# Altium PCB FUMSAT Station PCB.PcbDoc
Units mm, origin at the board's own origin, x right, y up, seen from the top; angles counter-clockwise.
Board outline 90.3 x 61.85 mm, 2 copper layers (Top Layer, Bottom Layer); 24 components, 30 nets, 192 pads, 16 vias.
Unrouted connection lines stored in the file: 47.
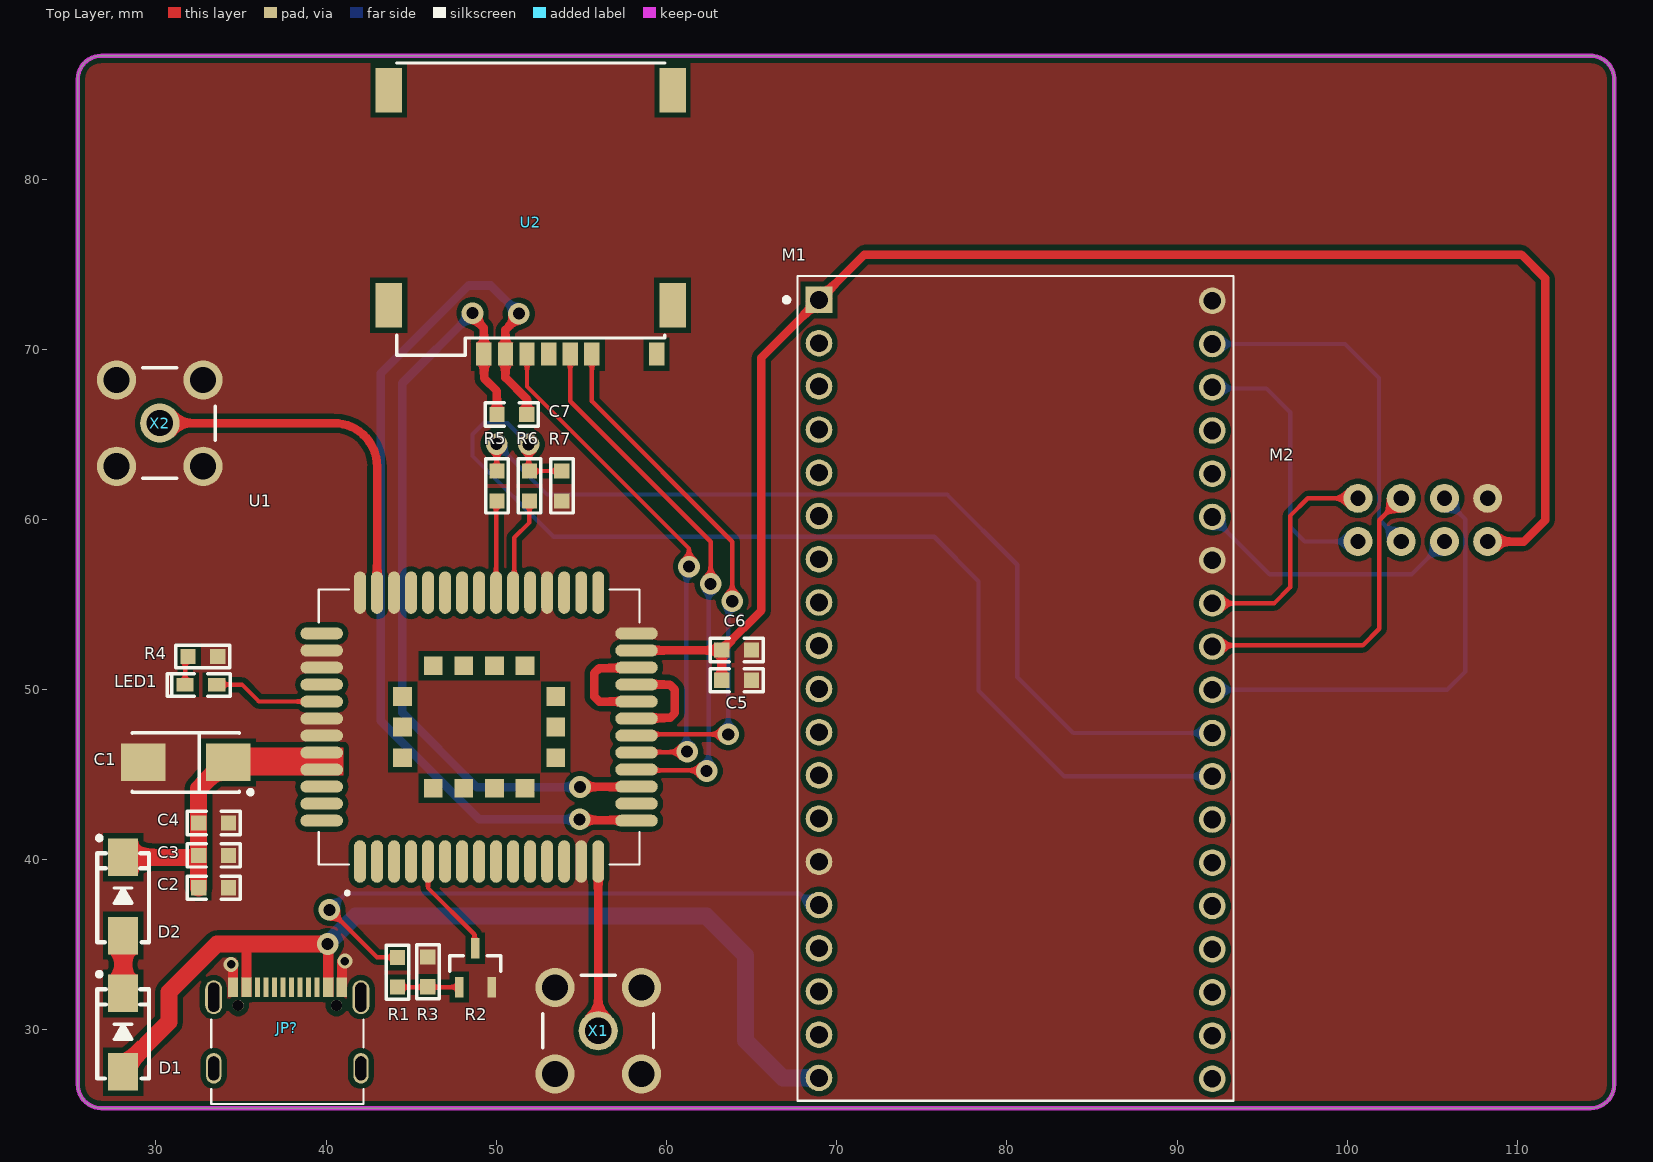
[diagram p0: Top Layer view]
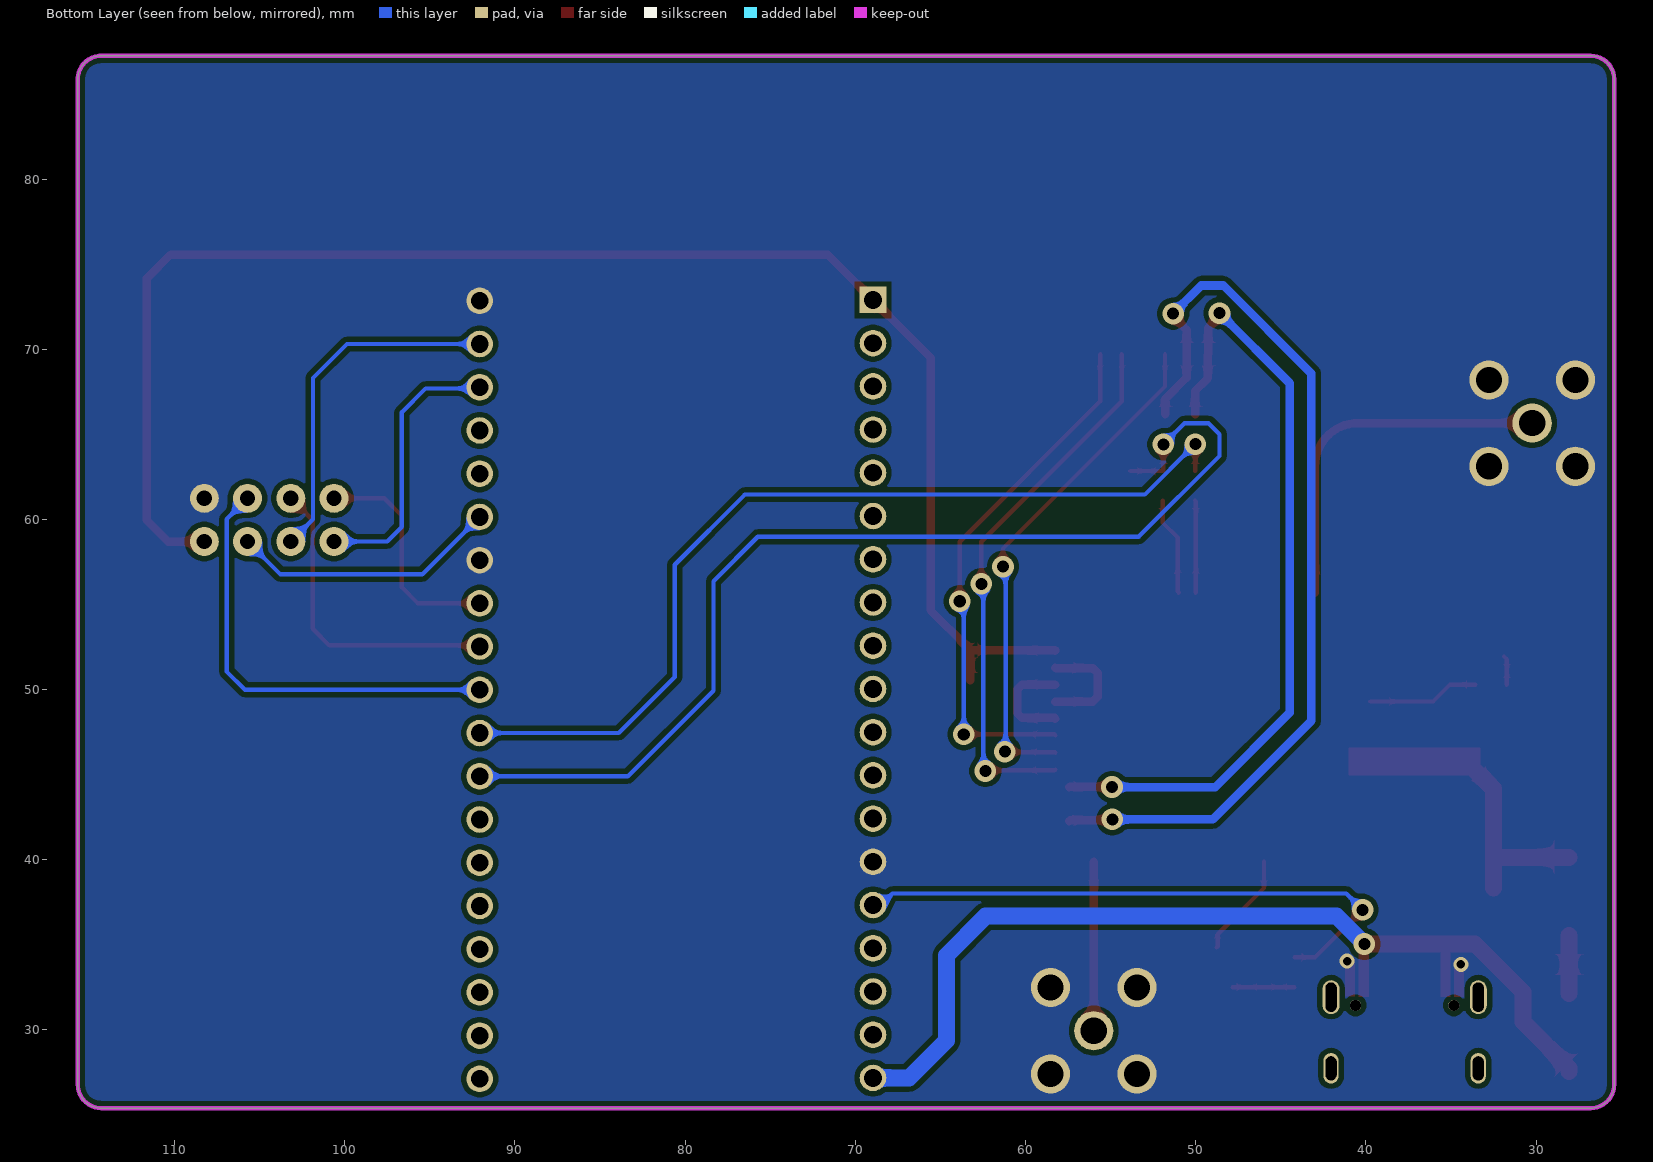
[diagram p1: Bottom Layer view, seen from below]

## Layer stack, top to bottom
Top Solder: solder mask 0.0102, Solder Resist, Dk 3.5
Top Layer: signal copper 0.0356
Dielectric 1: dielectric 0.32, FR-4, Dk 4.8
Bottom Layer: signal copper 0.0356
Bottom Solder: solder mask 0.0102, Solder Resist, Dk 3.5

## Board outline
26.797,25.4 cw(c26.797,26.797) 25.4,26.797 25.4,85.852 cw(c26.797,85.852) 26.797,87.249 114.3,87.249 cw(c114.3,85.852) 115.697,85.852 115.697,26.797 cw(c114.3,26.797) 114.3,25.4

## Design rules (kind name [scope] priority, off if disabled: settings)
Clearance Clearance_1 [InNamedPolygon('GND_L01_P000') Or InNamedPolygon('GND_L02_P001')] p1: gap=0.3 ignorepadtopadclearanceinfootprint=FALSE
Clearance [All] p2: gap=0.15 ignorepadtopadclearanceinfootprint=FALSE
PolygonConnect PolygonConnect_1 [All vs IsNamedPolygon('GND_L01_P000') Or IsNamedPolygon('GND_L02_P001')] p1: connectstyle=Direct reliefconductorwidth=0.254 reliefentries=4 polygonreliefangle="90 Angle" airgapwidth=0.254
PolygonConnect [All] p2: connectstyle=Relief reliefconductorwidth=0.254 reliefentries=4 polygonreliefangle="90 Angle" airgapwidth=0.254
RoutingVias [All] p1: holewidth=0.711 width=1.27 viastyle="Through Hole" minholewidth=0.711 minwidth=1.27 maxholewidth=0.711 maxwidth=1.27
SolderMaskExpansion [All] p1: expansion=0.102 istentingtop=FALSE
Width [All] p1: maxlimit=1 minlimit=0.254 preferedwidth=0.5
30 further rules are at their usual default settings.

## Components (designator, comment, footprint, x,y, rotation, side; value= is the part's Value field where it differs from the comment)
C1 "100uF" "CD C(6032)" 31.75,45.72 r180 top
C2 "100nF" "C 0603" 33.401,38.354 r0 top
C3 "10pF" "C 0603" 33.401,40.259 r0 top
C4 "33pF" "C 0603" 33.401,42.164 r0 top
C5 "10Uf" "C 0603" 64.135,50.546 r0 top
C6 "100nF" "C 0603" 64.135,52.324 r0 top
C7 "100nF" "C 0603" 50.927,66.167 r0 top
D1 "M7" SMA 28.067,29.845 r90 top (schematic designator D?)
D2 "M7" SMA 28.067,37.846 r90 top (schematic designator D?)
JP? "USB-C" USB-C-RIGHT 37.465,28.575 r0 top
LED1 "LED-SMD" "LED 0603Y" 32.639,50.292 r180 top
M1 "ESP32" NodeMCU(ESP32) 80.747,48.844 r0 top
M2 "E01-ML01DP5" E01-ML01DP5 114.554,47.244 r90 top
R1 "1K" "R 0603" 44.196,33.376 r270 top
R2 "SS8050" SOT23-3N 48.768,33.655 r0 top
R3 "10K" "R 0603" 45.974,33.401 r270 top
R4 "1K" "R 0603" 32.766,51.943 r0 top
R5 "1K" "R 0603" 50.038,61.976 r90 top
R6 "1K" "R 0603" 51.943,61.976 r90 top
R7 "5.6K" "R 0603" 53.848,61.976 r90 top
U1 "Quectel MC60" "Quectel MC60" 48.989,47.771 r90 top
U2 "SIMcard" SIMcard_6pin_1 52.07,77.978 r180 top
X1 "SMA" "SMA Female-RA" 55.989,29.954 r270 top
X2 "SMA" "SMA Female-RA" 30.226,65.659 r180 top

## Footprints (in the part's own frame and the unit in brackets; to place one, negate y for a bottom-side part, rotate by r counter-clockwise, add the part's x,y. Pads: shape width x height; smd on the part's side, far side on the other; paste and mask are expansions set on the pad)
"C 0603" [mil] "ï¿½Þ¼ï¿½ï¿½ï¿½ï¿½ï¿½Æ¬ï¿½ï¿½ï¿½ï¿½"
  rect 35x35 smd: 1(-35,0) 2(34,0)
  silkscreen extent -62,-27 61,27, body extent -31,-16 31,16, height 32
"CD C(6032)" [mm] "Capacitor, SM Tantalum; Body 6.0 x 3.2 mm (LxW typ)"
  rect 2.6x2.2 smd: 1(-2.5,0) 2(2.5,0)
  silkscreen extent -3.93,-1.75 3.15,1.87, body extent -3,-1.6 3,1.6, height 2.5
E01-ML01DP5 [mm]
  round 1.7 hole 0.9: 1(13.995,6.299) 2(13.995,8.839) 3(13.995,11.379) 4(13.995,13.919) 5(11.455,13.919) 6(11.455,11.379) 7(11.455,8.839) 8(11.455,6.299)
  body extent -27.58,1.02 15.47,19.07, height 12.65
"LED 0603Y" [mm] "ï¿½ï¿½É«0603LED"
  rect 1.016x0.8 smd: 1(-0.927,0) 2(0.927,0)
  silkscreen extent -1.71,-0.63 1.98,0.69, body extent -0.8,-0.41 0.8,0.4, height 0.61
NodeMCU(ESP32) [mm]
  rect 1.56x1.56 hole 1.04: 1(-11.786,24.054)
  round 1.56 hole 1.04: 2(-11.786,21.514) 3(-11.786,18.974) 4(-11.786,16.434) 5(-11.786,13.894) 6(-11.786,11.354) 7(-11.786,8.814) 8(-11.786,6.274) 9(-11.786,3.734) 10(-11.786,1.194) 11(-11.786,-1.346) 12(-11.786,-3.886) 13(-11.786,-6.426) 14(-11.786,-8.966) 15(-11.786,-11.506) 16(-11.786,-14.046) 17(-11.786,-16.586) 18(-11.786,-19.126) 19(-11.786,-21.666) 20(11.328,24.002) 21(11.328,21.462) 22(11.328,18.922) 23(11.328,16.382) 24(11.328,13.842) 25(11.328,11.302) 26(11.328,8.762) 27(11.328,6.222) 28(11.328,3.682) 29(11.328,1.142) 30(11.328,-1.398) 31(11.328,-3.938) 32(11.328,-6.478) 33(11.328,-9.018) 34(11.328,-11.558) 35(11.328,-14.098) 36(11.328,-16.638) 37(11.328,-19.178) 38(11.328,-21.718)
  silkscreen extent -13.83,-23.01 12.58,25.45, body extent -12.96,-23.74 12.44,25.31, height 7.07
"Quectel MC60" [mm]
  oval 2.5x0.7 smd paste-2: 1(-7.875,7) 2(-7.875,6) 3(-7.875,5) 4(-7.875,4) 5(-7.875,3) 6(-7.875,2) 7(-7.875,1) 8(-7.875,0) 9(-7.875,-1) 10(-7.875,-2) 11(-7.875,-3) 12(-7.875,-4) 13(-7.875,-5) 14(-7.875,-6) 15(-7.875,-7) 28(7.925,-7) 29(7.925,-6) 30(7.925,-5) 31(7.925,-4) 32(7.925,-3) 33(7.925,-2) 34(7.925,-1) 35(7.925,0) 36(7.925,1) 37(7.925,2) 38(7.925,3) 39(7.925,4) 40(7.925,5) 41(7.925,6) 42(7.925,7)
  oval 0.7x2.5 smd paste-2: 16(-5.475,-9.25) 17(-4.475,-9.25) 18(-3.475,-9.25) 19(-2.475,-9.25) 20(-1.475,-9.25) 21(-0.475,-9.25) 22(0.525,-9.25) 23(1.525,-9.25) 24(2.525,-9.25) 25(3.525,-9.25) 26(4.525,-9.25) 27(5.525,-9.25) 43(5.525,9.25) 44(4.525,9.25) 45(3.525,9.25) 46(2.525,9.25) 47(1.525,9.25) 48(0.525,9.25) 49(-0.475,9.25) 50(-1.475,9.25) 51(-2.475,9.25) 52(-3.475,9.25) 53(-4.475,9.25) 54(-5.475,9.25)
  rect 1.1x1.1 smd paste-0.09: 55(-3.575,2.7) 56(-3.575,0.9) 57(-3.575,-0.9) 58(-3.575,-2.7) 59(-1.775,-4.5) 60(0.025,-4.5) 61(1.825,-4.5) 62(3.625,-2.7) 63(3.625,-0.9) 64(3.625,0.9) 65(3.625,2.7) 66(1.825,4.5) 67(0.025,4.5) 68(-1.775,4.5)
  silkscreen extent -9.82,-9.43 8.1,9.43, body extent -7.98,-9.43 8.02,9.27, height 2.2
"R 0603" [mil] "1/10Wï¿½ï¿½Æ¬ï¿½ï¿½ï¿½ï¿½"
  rect 35x35 smd: 1(-35,0) 2(34,0)
  silkscreen extent -63,-26 62,26, body extent -31,-16 32,16, height 16
SIMcard_6pin_1 [mm]
  rect 1.56x2.61 smd: 1(-8.289,5.391) 2(-8.289,-7.239) 3(8.391,-7.239) 4(8.391,5.391)
  rect 0.9x1.35 smd: C1(2.806,8.266) C2(0.266,8.266) C3(-2.274,8.266) C5(1.536,8.266) C6(-1.004,8.266) C7(-3.544,8.266) CD(-7.354,8.266)
  silkscreen extent -7.82,-8.84 7.93,8.33, body extent -8.32,-8.87 8.43,8.46, height 1.5
SMA [mm] "4.5x2.6*2.2mm£¨³¤¿í¸ß£¬²»°üÀ¨Òý½Å£©"
  rect 2.2x1.75 smd: 1(-2.3,0) 2(2.3,0)
  silkscreen extent -2.7,-1.52 3.56,1.52, body extent -2.53,-1.3 2.58,1.3, height 2.15
"SMA Female-RA" [mm] "MOLEX SD-73100-0114"
  round 2.304 hole 1.54: G(-2.54,2.54) G(2.54,2.54) S(0,0)
  round 2.302 hole 1.54: G(-2.54,-2.54) G(2.54,-2.54)
  silkscreen extent -3.25,-3.25 1,3.25, body extent -3.12,-3.17 11.68,3.17, height 9.67
SOT23-3N [mm] "3x1.3x1mm(ï¿½ï¿½ï¿½ï¿½ï¿½)"
  rect 0.5x1.2 smd: 1(-0.95,-1.143) 2(0.95,-1.143) 3(0,1.143)
  silkscreen extent -1.5,-0.2 1.5,0.7, body extent -1.5,-1.2 1.5,1.2, height 1.05
USB-C-RIGHT [mm]
  rect 0.3x1.14 smd: A1(-3.096,3.937) A4(-2.296,3.937) A5(-0.996,3.937) A6(0.004,3.937) A7(0.504,3.937) A8(1.504,3.937) A9(2.804,3.937) A12(3.604,3.937) B1(3.304,3.937) B4(2.504,3.937) B5(2.004,3.937) B6(1.004,3.937) B7(-0.496,3.937) B8(-1.496,3.937) B9(-1.996,3.937) B12(-2.796,3.937)
  oval 1x2 hole 0.65 slot 1.72 at 90 deg: S1(-4.071,3.347) S2(4.579,3.347)
  oval 0.9x1.8 hole 0.65 slot 1.4 at 90 deg: S3(-4.071,-0.833) S4(4.579,-0.833)
  round 0.65 hole 0.65 unplated: ""(-2.636,2.867) ""(3.144,2.867)
  silkscreen extent -4.22,-2.92 4.72,2.03, body extent -4.22,-3.36 4.72,4.39, height 3.26

## Part data
C1: library part C-CD, "Solid Tantalum Chip Capacitor, Standard T491 Series - Industrial Grade", PackageDocument=Mar-2001, Code_JEITA=3528-21, ComponentLink1Description="Manufacturer Link", ComponentLink1URL=http://www.kemet.com/, ComponentLink2Description=Datasheet, ComponentLink2URL=http://www.kemet.com/kemet/web/homepage/kechome.nsf/vapubfilesname/F3102TA.pdf/$file/F3102TA.pdf, DatasheetDocument=Mar-2001, LatestRevisionDate=19-Mar-2004, LatestRevisionNote="Silkscreen dimensions re-sized.", PackageReference=B, Published=17-Jul-2002, Publisher="Altium Limited"
C2 C3 C4 C5 C6 C7: library part C, "Non-polar patch capacitor", BOM名称=无极性贴片电容, 学习资源=www.ooocke.com, 版权归属=源创客
D1 D2: "Rectifier diode", BOM名称=整流二极管, 学习资源=www.ooocke.com, 版权归属=源创客
JP?: library part USB-C-RIGHT
LED1: "Patch LED", BOM名称=贴片LED, 学习资源=www.ooocke.com, 版权归属=源创客
M1: library part NodeMCU(ESP32-WROOM)
R1 R3 R4 R5 R6 R7: library part R, "Chip resistor", BOM名称="Chip resistor", 学习资源=www.ooocke.com, 版权归属=源创客
R2: library part 8050-SMD, "High frequency amplification-NPN", BOM名称=高频放大-NPN型, 学习资源=www.ooocke.com, 属性="40V 1.5A 1W 100MHZ", 版权归属=源创客
U1: library part MC60, "Ultra-small LCC Quad-band GSM/GPRS/GNSS Module"
U2: library part "SIMcard (6pin)"
X1 X2: "RF"

## Via types
v1: diameter 1.27, hole 0.711, Top Layer to Bottom Layer, tented both sides, 14 vias
v2: diameter 0.9, hole 0.5, Top Layer to Bottom Layer, tented both sides, 2 vias

## Nets (pads, with @x,y where several pads share a name; then routed paths per layer and width w, separated by ;. In a path a pad name is that pad's centre, name@x,y a point inside that pad or via, vN(x,y) a via of type N, cw(c..) or ccw(c..) an arc to the next point about the centre after c; other vN are vias at no path point)
3.3V: C5.1 C6.1 M1.1 M2.8 U1.26 | length 92
  Top Layer w0.5: U1.26 58.253,52.31 C6.1@63.232,52.31 ; C5.1 C6.1 ; C6.1@63.35,52.495 63.417,52.495 65.574,54.652 65.574,69.511 M1.1 71.628,75.565 110.236,75.565 111.633,74.168 111.633,59.944 110.388,58.699 M2.8
5V: D1.1 JP?.A4 JP?.A9 JP?.B4 JP?.B9 M1.19 | length 52.7
  Top Layer w1: D1.1 28.067,27.77 30.774,30.477 30.774,32.224 33.595,35.045 40.024,35.045 40.029,35.05 v1(40.085,35.05)
  Bottom Layer w1: v1(40.085,35.05) 41.721,36.686 62.337,36.686 64.647,34.376 64.647,29.374 66.843,27.178 M1.19
E01_CE: M1.29 M2.2 | length 26
  Bottom Layer w0.254: M1.29 105.866,49.986 106.946,51.066 106.946,60.008 M2.2
E01_CSN: M1.25 M2.7 | length 15.8
  Bottom Layer w0.254: M1.25 95.452,56.769 103.784,56.769 M2.7
E01_IRQ: M1.22 M2.5 | length 16.3
  Bottom Layer w0.254: M1.22 92.15,67.691 95.25,67.691 96.647,66.294 96.647,59.563 97.511,58.699 M2.5
E01_MISO: M1.27 M2.4 | length 13.6
  Top Layer w0.254: M1.27 95.706,55.066 96.647,56.007 96.647,60.198 97.688,61.239 M2.4
E01_MOSI: M1.21 M2.6 | length 20.8
  Bottom Layer w0.254: M1.21 99.874,70.306 101.866,68.314 101.866,60.008 M2.6
E01_SCK: M1.28 M2.3 | length 18.5
  Top Layer w0.254: M1.28@92.068,52.462 92.203,52.597 100.909,52.597 101.882,53.57 101.882,59.947 M2.3
GND: C1.2 C2.2 C3.2 C4.2 C5.2 C6.2 JP?.A1 JP?.A12 JP?.B1 JP?.B12 M1.14 M1.20 M1.26 M2.1 R2.2 R3.1 R4.2 R7.1 U1.14 U1.27 U1.31 U1.40 U1.42 U1.44 U1.45 U1.48 U1.49 X1.G X2.G
  other v2: 34.414,33.848 41.105,34.048
GNSS_ANT: U1.15 X1.S | length 10.1
  Top Layer w0.5: X1.S@55.88,29.845 ccw(c55.88,29.954) X1.S U1.15
IN0: U1.6
NetD?_1: D1.2 D2.1 | length 3.4
  Top Layer w1: D1.2 D2.1
NetLED1_2: LED1.2 R4.1 | length 1.7
  Top Layer w0.254: LED1.2 31.712,51.778 R4.1
NETLIGHT: LED1.1 U1.47 | length 6.6
  Top Layer w0.254: LED1.1 35.052,50.292 36.048,49.296 U1.47
NetR1_2: R1.2 R2.1 R3.2 | length 3.6
  Top Layer w0.254: R1.2 R2.1
NetR5_1: R5.1 U1.34 | length 5.4
  Top Layer w0.254: U1.34 49.989,61.038 R5.1
NetR6_1: R6.1 U1.33 | length 5.8
  Top Layer w0.254: U1.33 51.054,55.761 51.054,58.928 51.943,59.817 R6.1
PWRKEY: R2.3 U1.5 | length 6.2
  Top Layer w0.254: U1.5 45.989,38.339 48.709,35.619 48.709,34.92 R2.3@48.768,34.861
RF_ANT: U1.41 X2.S | length 21.6
  Top Layer w0.5: X2.S 40.449,65.659 cw(c40.449,63.119) 42.989,63.119 U1.41
RXD_GNSS: U1.23 U1.25 | length 6.6
  Top Layer w0.5: U1.23 56.046,49.296 55.753,49.589 55.753,50.965 56.046,51.258 58.201,51.258 U1.25
RXD_MAIN: M1.30 R5.2 | length 54.5
  Top Layer w0.254: v1(50.021,64.425) 50.021,62.857 R5.2
  Bottom Layer w0.254: v1(50.021,64.425) 52.985,61.461 76.49,61.461 80.611,57.34 80.611,50.737 83.902,47.446 M1.30
SIM1_CLK: U1.19 U2.C3 | length 32.2
  Top Layer w0.254: U2.C3 54.344,66.941 62.595,58.69 v1(62.595,56.208) ; U1.19 58.281,45.254 62.315,45.254 v1(62.357,45.212)
  Bottom Layer w0.254: v1(62.357,45.212) 62.476,45.331 62.476,56.089 v1(62.595,56.208)
SIM1_DATA: U1.21 U2.C7 | length 31.3
  Top Layer w0.254: U2.C7 55.614,66.941 63.865,58.69 v1(63.865,55.192) ; U1.21 58.314,47.371 v1(63.627,47.371)
  Bottom Layer w0.254: v1(63.627,47.371) 63.627,54.679 63.865,54.917 v1(63.865,55.192)
SIM1_RST: U1.20 U2.C2 | length 30.4
  Top Layer w0.254: U2.C2 51.804,67.813 61.325,58.292 v1(61.325,57.224) ; U1.20 58.268,46.325 61.184,46.325 v1(61.214,46.355)
  Bottom Layer w0.254: v1(61.214,46.355) 61.167,46.402 61.167,57.066 v1(61.325,57.224)
SIM1_VDD: C7.1 U1.18 U2.C1 | length 46.5
  Top Layer w0.5: v1(48.601,72.122) 48.601,71.914 49.264,71.25 U2.C1 49.288,69.688 49.288,68.287 50.038,67.537 C7.1 ; v1(54.917,44.274) 54.928,44.285 57.395,44.285 U1.18@57.416,44.264
  Bottom Layer w0.5: v1(48.601,72.122) 44.475,67.996 44.475,48.644 48.845,44.274 v1(54.917,44.274)
SIM_GND: C7.2 U1.16 U2.C5 | length 54.8
  Top Layer w0.5: v1(51.324,72.09) 51.324,71.927 50.534,71.137 U2.C5 50.534,68.338 51.791,67.081 C7.2 ; v1(54.897,42.369) 54.933,42.333 57.361,42.333 U1.16@57.428,42.266
  Bottom Layer w0.5: v1(51.324,72.09) 49.669,73.745 48.375,73.745 43.211,68.581 43.211,48.155 48.997,42.369 v1(54.897,42.369)
TURN_ON_PULSE: M1.15 R1.1 | length 34.5
  Top Layer w0.254: v1(40.192,37.056) 42.983,34.265 R1.1
  Bottom Layer w0.254: v1(40.192,37.056) 41.152,38.016 67.813,38.016 68.241,37.588 68.358,37.588 68.716,37.23 M1.15@68.716,37.113
TXD_GNSS: U1.22 U1.24 | length 6.1
  Top Layer w0.5: U1.22 58.277,48.334 60.206,48.334 60.499,48.627 60.499,49.991 60.194,50.296 U1.24
TXD_MAIN: M1.31 R6.2 R7.2 | length 63.9
  Top Layer w0.254: v1(51.9,64.408) 51.9,62.883 R6.2 R7.2
  Bottom Layer w0.254: v1(51.9,64.408) 50.655,65.653 49.247,65.653 48.6,65.006 48.6,63.727 53.352,58.975 75.731,58.975 78.337,56.369 78.337,49.935 83.366,44.906 M1.31@92.05,44.906
VBAT1C: C1.1 C2.1 C3.1 C4.1 D2.2 U1.50 U1.51 | length 12.7
  Top Layer w1: D2.2 32.399,40.146 C3.1 ; C2.1 C3.1 ; C1.1 34.05,45.72 32.512,44.182 32.512,43.434 C4.1 C3.1
pads on no net: JP?. JP?.A5 JP?.A6 JP?.A7 JP?.A8 JP?.B5 JP?.B6 JP?.B7 JP?.B8 JP?.S1 JP?.S2 JP?.S3 JP?.S4 M1.2 M1.3 M1.4 M1.5 M1.6 M1.7 M1.8 M1.9 M1.10 M1.11 M1.12 M1.13 M1.16 M1.17 M1.18 M1.23 M1.24 M1.32 M1.33 M1.34 M1.35 M1.36 M1.37 M1.38 U1.1 U1.2 U1.3 U1.4 U1.7 U1.8 U1.9 U1.10 U1.11 U1.12 U1.13 U1.17 U1.28 U1.29 U1.30 U1.32 U1.35 U1.36 U1.37 U1.38 U1.39 U1.43 U1.46 U1.52 U1.53 U1.54 U1.55 U1.56 U1.57 U1.58 U1.59 U1.60 U1.61 U1.62 U1.63 U1.64 U1.65 U1.66 U1.67 U1.68 U2.1 U2.2 U2.3 U2.4 U2.C6 U2.CD

## Polygon pours and split planes (outlines as drawn)
GND on Top Layer "GND_L01_P000" (solid, remove dead copper, pour order 0): 26.797,25.4 cw(c26.797,26.797) 25.4,26.797 25.4,85.852 cw(c26.797,85.852) 26.797,87.249 114.3,87.249 cw(c114.3,85.852) 115.697,85.852 115.697,26.797 cw(c114.3,26.797) 114.3,25.4
GND on Bottom Layer "GND_L02_P001" (solid, remove dead copper, pour order 1): 26.797,25.4 cw(c26.797,26.797) 25.4,26.797 25.4,85.852 cw(c26.797,85.852) 26.797,87.249 114.3,87.249 cw(c114.3,85.852) 115.697,85.852 115.697,26.797 cw(c114.3,26.797) 114.3,25.4

## Keep-outs
Keep-Out Layer:
  lines w0.254: 114.3,87.249 cw(c114.3,85.852) 115.697,85.852 ; 114.427,87.249 65.405,87.249 26.797,87.249 ccw(c26.797,85.852) 25.4,85.852 25.4,26.797 ccw(c26.797,26.797) 26.797,25.4 114.3,25.4 ccw(c114.3,26.797) 115.697,26.797 115.697,57.277 115.697,85.979

## Other copper
Top Layer:
  rectangle net GND: 40.624,31.954 41.225,34.144
  rectangle net GND: 34.224,31.93 34.825,34.12
  rectangle net 5V: 39.82,31.942 40.421,35.276
  rectangle net 5V: 35.015,31.945 35.616,35.154
  rectangle net VBAT1C: 33.274,44.958 41.021,46.609